# Altium PCB 通用工装板.PcbDoc (part 8 of 10)
Units mil, origin at the board's own origin, x right, y up, seen from the top; angles counter-clockwise.
Board outline 5905.51 x 3937.01 mil, 4 copper layers (L1, L2, L3, L4), stack 30.634 mil thick; 601 components, 576 nets, 2543 pads, 2986 vias.
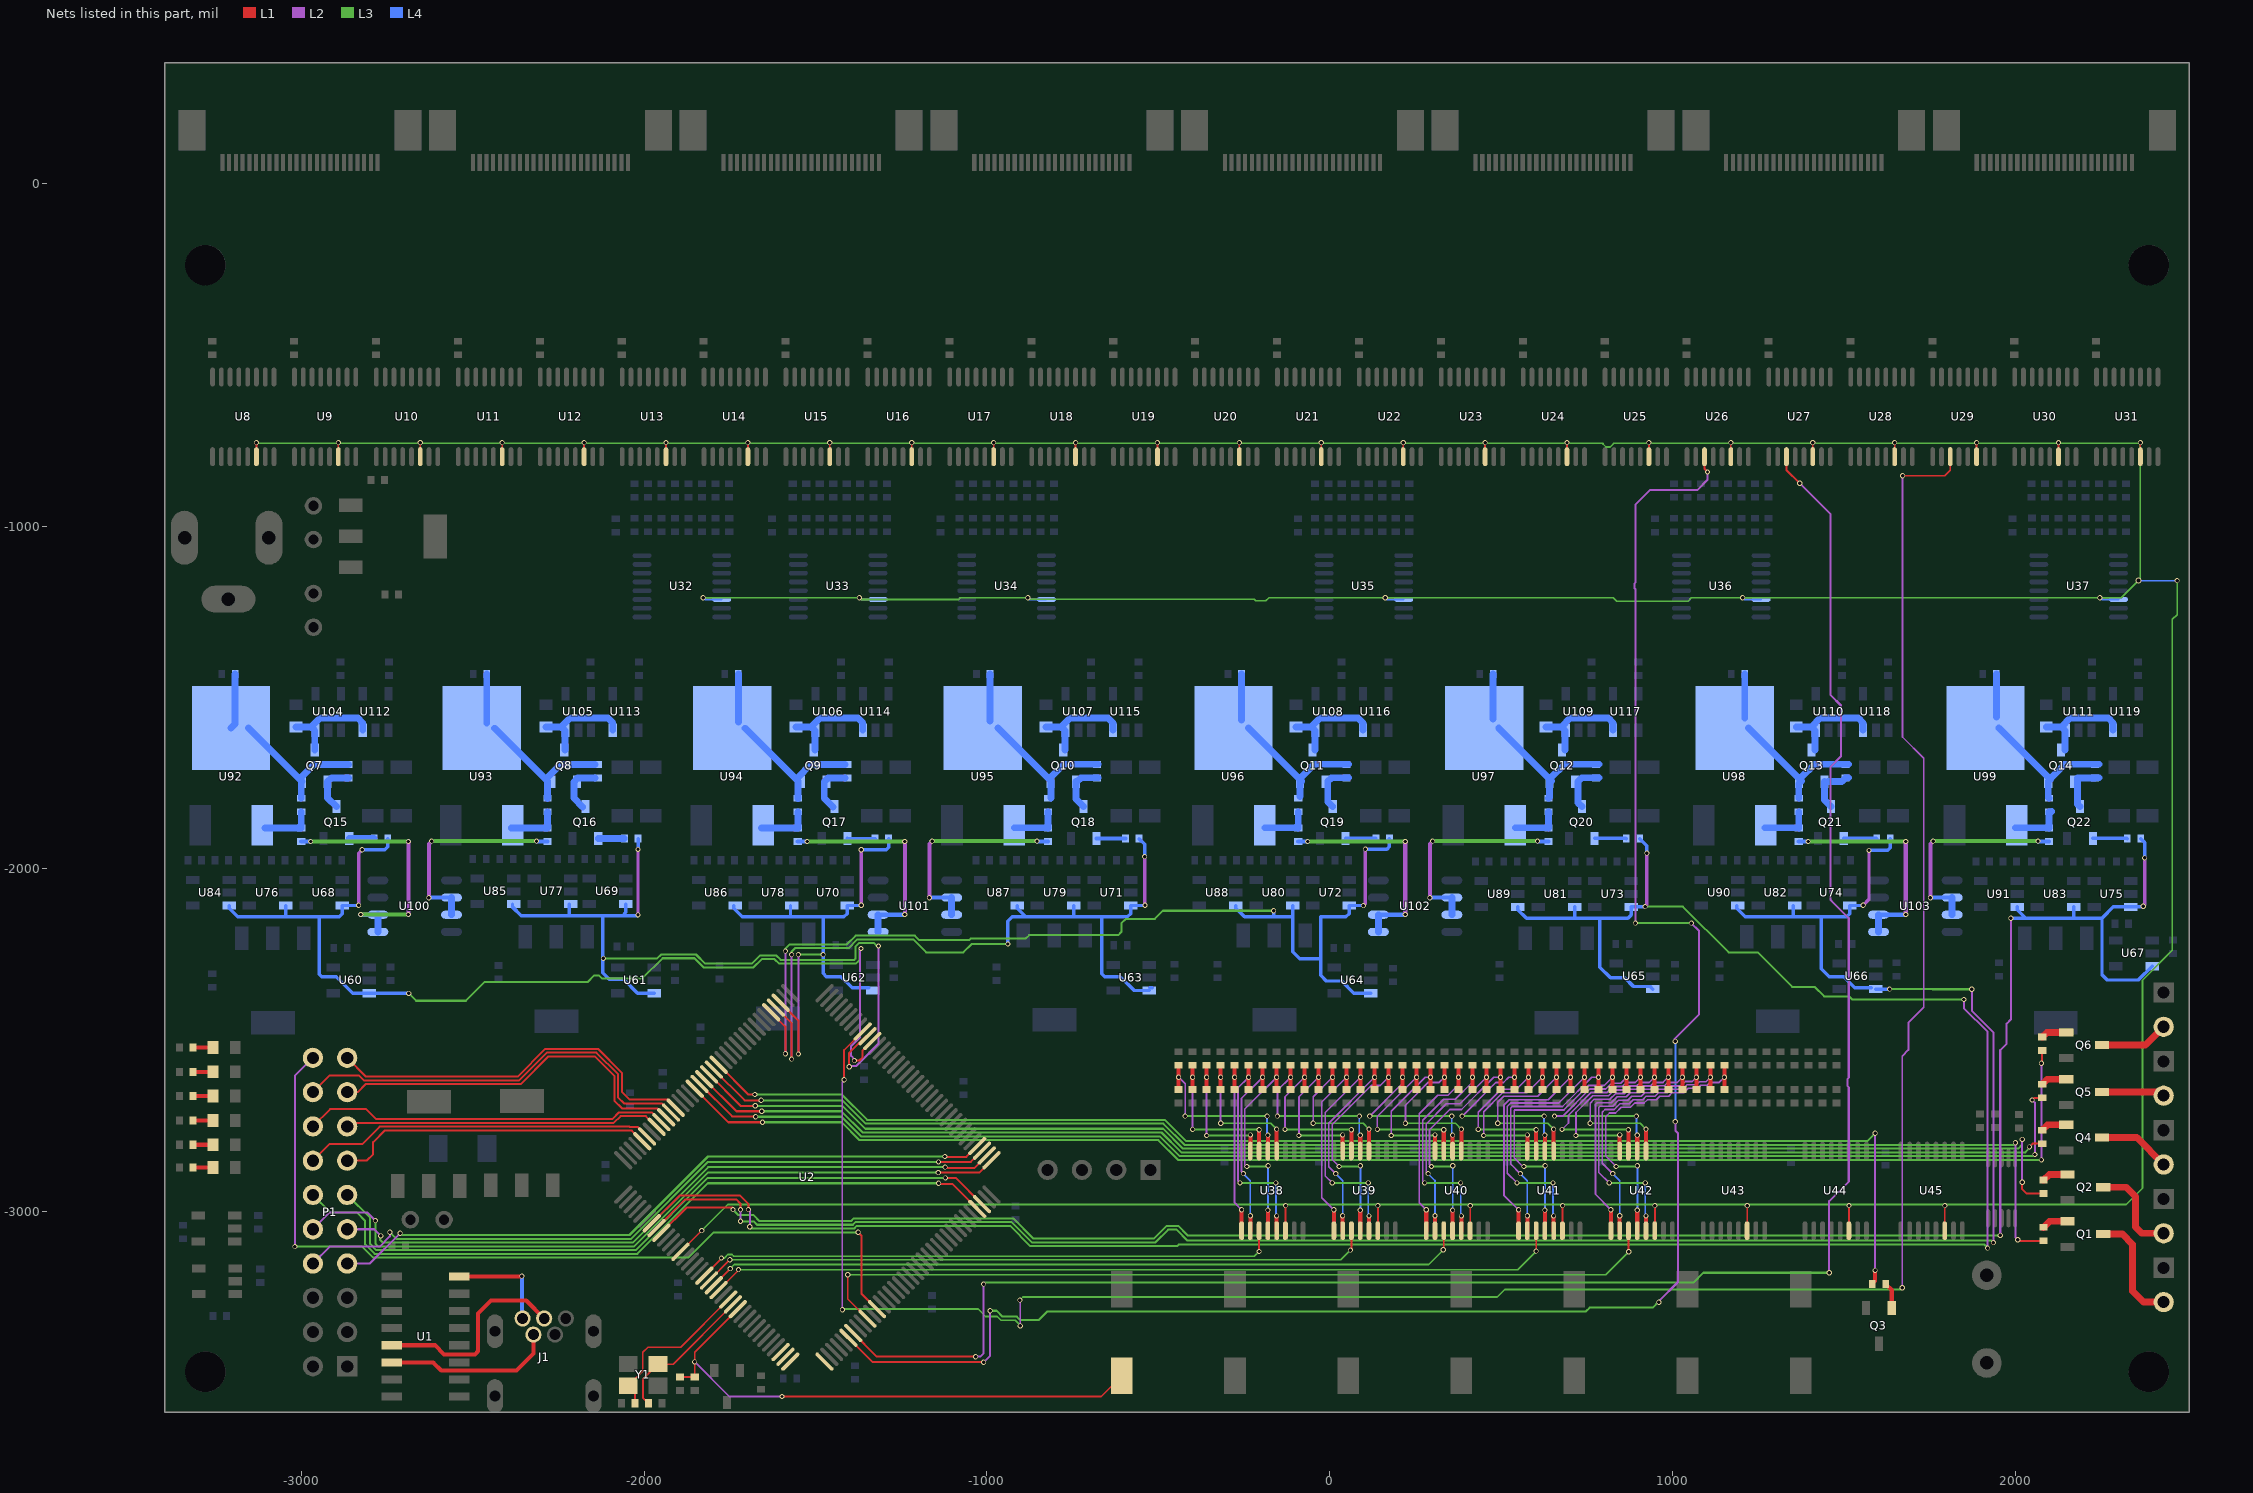
[diagram p10: the nets of this part, all layers, seen from the top]

## Via types
v1: diameter 15, hole 10, L1 to L4, tented both sides, 1853 vias
v2: diameter 18, hole 12, L1 to L4, tented both sides, 1133 vias

## Nets (pads, with @x,y where several pads share a name; then routed paths per layer and width w, separated by ;. In a path a pad name is that pad's centre, name@x,y a point inside that pad or via, vN(x,y) a via of type N, cw(c..) or ccw(c..) an arc to the next point about the centre after c; other vN are vias at no path point) (continued)
NetC105_2: C105.2 Q7.2 R210.2 R226.1 U92.4 | length 587.2
  L4 w20: U92.4@-3205.48,-1588.94 -3193.28,-1576.73 C105.2@-3193.28,-1431.46 ; U92.4@-3154.89,-1588.94 Q7.2@-3000.36,-1743.46 ; R210.2@-3000.36,-1793.66 Q7.2@-3000.36,-1743.46 ; Q7.2@-3000.36,-1732.36 -2963.24,-1695.24 R226.1@-2862.57,-1695.24 ; Q7.2@-2998.39,-1745.43 Q7.2@-3000.36,-1743.46
NetC107_2: C107.2 Q8.2 R211.2 R227.1 U93.4 | length 564.4
  L4 w20: U93.4@-2459.3,-1573.92 C107.2@-2459.3,-1431.46 ; U93.4@-2436.25,-1589.54 -2281.72,-1744.06 R211.2@-2281.72,-1794.26 ; Q8.2@-2281.72,-1732.96 -2244.6,-1695.83 R227.1@-2143.93,-1695.83
NetC109_2: C109.2 Q9.2 R212.2 R228.1 U94.4 | length 561.6
  L4 w20: U94.4@-1725.33,-1571.11 C109.2@-1725.33,-1431.46 ; U94.4@-1706.25,-1589.54 -1551.72,-1744.06 R212.2@-1551.72,-1794.26 ; Q9.2@-1551.72,-1732.96 -1514.6,-1695.83 R228.1@-1413.93,-1695.83
NetC111_2: C111.2 Q10.2 R213.2 R229.1 U95.4 | length 558.7
  L4 w20: U95.4@-991.36,-1568.3 C111.2@-991.36,-1431.46 ; U95.4@-968.25,-1588.54 -813.72,-1743.06 R213.2@-813.72,-1793.26 ; Q10.2@-813.72,-1731.96 -776.6,-1694.83 R229.1@-675.93,-1694.83
NetC113_2: C113.2 Q11.2 R214.2 R230.1 U96.4 | length 551.4
  L4 w20: U96.4@-257.39,-1565.48 C113.2@-257.39,-1431.46 ; U96.4@-237.25,-1588.54 -82.72,-1743.06 Q11.2@-82.72,-1745.43 ; R214.2@-87.26,-1788.73 Q11.2@-87.26,-1745.43 ; Q11.2@-82.72,-1731.96 -45.6,-1694.83 R230.1@55.07,-1694.83
NetC115_2: C115.2 Q12.2 R215.2 R231.1 U97.4 | length 561.7
  L4 w20: U97.4@476.58,-1562.67 C115.2@476.58,-1431.46 ; U97.4@492.75,-1588.54 647.28,-1743.06 Q12.2@640.53,-1749.81 ; R215.2@638,-1793.66 640.53,-1791.13 Q12.2@640.53,-1749.81 ; Q12.2@640.53,-1745.43 Q12.2@640.53,-1749.81 ; Q12.2@647.28,-1731.96 684.4,-1694.83 R231.1@785.07,-1694.83
NetC117_2: C117.2 Q13.2 R216.2 R232.1 U98.4 | length 554.1
  L4 w20: U98.4@1210.55,-1559.86 C117.2@1210.55,-1431.46 ; U98.4@1221.75,-1588.54 1376.28,-1743.06 1368.03,-1751.31 R216.2@1368.03,-1793.66 ; Q13.2@1376.28,-1731.96 1413.4,-1694.83 R232.1@1514.07,-1694.83
NetC119_2: C119.2 Q14.2 R217.2 R233.1 U99.4 | length 540.8
  L4 w20: U99.4@1944.52,-1557.05 C119.2@1944.52,-1431.46 ; U99.4@1951.75,-1588.54 Q14.2@2102.37,-1739.16 ; Q14.2@2096.09,-1745.43 2096.09,-1791.69 R217.2@2098.06,-1793.66 ; Q14.2@2106.28,-1731.96 2143.4,-1694.83 2244.07,-1694.83
NetJ1_1: J1.1 U1.16 | length 304.4
  L1 w12: U1.16@-2539.73,-3189.33 -2358.33,-3189.33 v1(-2357,-3188)
  L4 w12: J1.1@-2357,-3309.07 v1(-2357,-3188)
NetJ1_2: J1.2 U1.6 | length 498.3
  L1 w12: U1.6@-2736.58,-3439.47 -2615.53,-3439.47 -2592,-3463 -2373,-3463 -2323.2,-3413.2 J1.2@-2323.2,-3358.62
NetJ1_3: J1.3 U1.5 | length 607
  L1 w12: U1.5@-2736.58,-3389.44 -2610.56,-3389.44 -2584,-3416 -2494,-3416 -2485,-3407 -2485,-3297 -2447,-3259 -2344.08,-3259 J1.3@-2291.7,-3311.38
NetLED1_1: LED1.1 R10.1 | length 58.1
  L1 w12: R10.1@-3316.29,-2521.06 LED1.1@-3258.22,-2521.06
NetLED2_1: LED2.1 R11.1 | length 58.1
  L1 w12: R11.1@-3316.29,-2591.93 LED2.1@-3258.22,-2591.93
NetLED3_1: LED3.1 R12.1 | length 58.1
  L1 w12: R12.1@-3316.29,-2662.8 LED3.1@-3258.22,-2662.8
NetLED4_1: LED4.1 R13.1 | length 58.1
  L1 w12: R13.1@-3316.29,-2733.66 LED4.1@-3258.22,-2733.66
NetLED5_1: LED5.1 R14.1 | length 58.1
  L1 w12: R14.1@-3316.29,-2804.53 LED5.1@-3258.22,-2804.53
NetLED6_1: LED6.1 R15.1 | length 58.1
  L1 w12: R15.1@-3316.29,-2871.46 LED6.1@-3258.22,-2871.46
NetP2_2: P2.2 Q1.3 | length 338.6
  L1 w20: Q1.3@2256.53,-3065.32 2312.32,-3065.32 2342,-3095 2342,-3232 2373.74,-3263.74 P2.2@2432.71,-3263.74
NetP3_2: P3.2 Q2.3 | length 284
  L1 w20: Q2.3@2256.53,-2928.5 2323.5,-2928.5 2351,-2956 2351,-3045 2368.95,-3062.95 P3.2@2432.71,-3062.95
NetP4_2: P4.2 Q4.3 | length 212.6
  L1 w20: Q4.3@2252.59,-2783.82 2354.36,-2783.82 P4.2@2432.71,-2862.17
NetP5_2: P5.2 Q5.3 | length 169.7
  L1 w20: Q5.3@2252.59,-2650.95 P5.2@2422.28,-2650.95
NetP6_2: P6.2 Q6.3 | length 202.3
  L1 w20: Q6.3@2252.59,-2514.13 2379.17,-2514.13 P6.2@2432.71,-2460.59
NetQ1_1: Q1.1 R1.2 | length 77.2
  L1 w20: R1.2@2082.31,-3045.63 2100.03,-3027.91 Q1.1@2152.2,-3027.91
NetQ2_1: Q2.1 R2.2 | length 76.8
  L1 w20: R2.2@2082.31,-2907.83 2099.05,-2891.1 Q2.1@2152.2,-2891.1
NetQ3_1: Q3.1 R3.2 | length 77.2
  L1 w12: R3.2@1621.68,-3210.98 1639.4,-3228.7 Q3.1@1639.4,-3280.87
NetQ4_1: Q4.1 R4.2 | length 76.4
  L1 w20: R4.2@2078.38,-2762.17 2094.13,-2746.42 Q4.1@2148.26,-2746.42
NetQ5_1: Q5.1 R5.2 | length 76
  L1 w20: R5.2@2078.38,-2628.31 2093.14,-2613.54 Q5.1@2148.26,-2613.54
NetQ6_1: Q6.1 R6.2 | length 75.6
  L1 w20: R6.2@2078.38,-2490.51 2092.16,-2476.73 Q6.1@2148.26,-2476.73
NetQ7_1: Q7.1 Q15.3 R226.2 | length 148.9
  L4 w20: Q15.3@-2898,-1818.27 -2923.59,-1792.68 Q7.1@-2923.59,-1745.43 -2912.76,-1734.61 R226.2@-2862.57,-1734.61
NetQ7_3: Q7.3 R242.1 U104.3 U112.3 | length 303.9
  L4 w20: R242.1@-3016.11,-1585.98 -2971.98,-1585.98 ; Q7.3@-2960.99,-1652.91 -2960.99,-1596.81 -2971.82,-1585.98 -2971.98,-1585.98 ; U112.3@-2821.23,-1594.84 -2821.23,-1573.77 -2834.84,-1560.16 -2946.16,-1560.16 -2971.98,-1585.98
NetQ8_1: Q8.1 Q16.3 R227.2 | length 148.9
  L4 w20: Q16.3@-2179.36,-1818.87 -2204.95,-1793.28 -2204.95,-1746.03 -2194.13,-1735.2 R227.2@-2143.93,-1735.2
NetQ8_3: Q8.3 R243.1 U105.3 U113.3 | length 303.9
  L4 w20: R243.1@-2286.64,-1585.98 -2242.51,-1585.98 ; Q8.3@-2231.52,-1652.91 -2231.52,-1596.81 -2242.35,-1585.98 -2242.51,-1585.98 ; U113.3@-2091.76,-1594.84 -2091.76,-1573.77 -2105.37,-1560.16 -2216.69,-1560.16 -2242.51,-1585.98
NetQ9_1: Q9.1 Q17.3 R228.2 | length 148.9
  L4 w20: Q17.3@-1449.36,-1818.87 -1474.95,-1793.28 -1474.95,-1746.03 -1464.13,-1735.2 R228.2@-1413.93,-1735.2
NetQ9_3: Q9.3 R244.1 U106.3 U114.3 | length 303.9
  L4 w20: R244.1@-1557.17,-1585.98 -1513.04,-1585.98 ; Q9.3@-1502.05,-1652.91 -1502.05,-1596.81 -1512.88,-1585.98 -1513.04,-1585.98 ; U114.3@-1362.29,-1594.84 -1362.29,-1573.77 -1375.9,-1560.16 -1487.21,-1560.16 -1513.04,-1585.98
NetQ10_1: Q10.1 Q18.3 R229.2 | length 147.9
  L4 w20: Q10.1@-740.24,-1745.43 -740.24,-1796.05 Q18.3@-718.02,-1818.27 ; Q10.1@-736.95,-1745.43 -736.95,-1745.03 -726.13,-1734.2 R229.2@-675.93,-1734.2
NetQ10_3: Q10.3 R245.1 U107.3 U115.3 | length 303.9
  L4 w20: R245.1@-827.7,-1585.98 -783.57,-1585.98 ; Q10.3@-772.58,-1652.91 -772.58,-1596.81 -783.41,-1585.98 -783.57,-1585.98 ; U115.3@-632.81,-1594.84 -632.81,-1573.77 -646.43,-1560.16 -757.74,-1560.16 -783.57,-1585.98
NetQ11_1: Q11.1 Q19.3 R230.2 | length 144.8
  L4 w20: Q19.3@8.64,-1818.27 -5.95,-1803.68 -5.95,-1745.03 4.87,-1734.2 R230.2@55.07,-1734.2
NetQ11_3: Q11.3 R246.1 U108.3 U116.3 | length 303.9
  L4 w20: R246.1@-98.22,-1585.98 -54.1,-1585.98 ; Q11.3@-43.11,-1652.91 -43.11,-1596.81 -53.93,-1585.98 -54.1,-1585.98 ; U116.3@96.66,-1594.84 96.66,-1573.77 83.04,-1560.16 -28.27,-1560.16 -54.1,-1585.98
NetQ12_1: Q12.1 Q20.3 R231.2 | length 143.4
  L4 w20: Q20.3@735.3,-1818.27 724.05,-1807.02 724.05,-1745.03 734.87,-1734.2 R231.2@785.07,-1734.2
NetQ12_3: Q12.3 R247.1 U109.3 U117.3 | length 303.9
  L4 w20: R247.1@631.25,-1585.98 675.37,-1585.98 ; Q12.3@686.36,-1652.91 686.36,-1596.81 675.54,-1585.98 675.37,-1585.98 ; U117.3@826.13,-1594.84 826.13,-1573.77 812.51,-1560.16 701.2,-1560.16 675.37,-1585.98
NetQ13_1: Q13.1 Q21.3 R232.2 | length 146.4
  L4 w20: Q13.1@1443.11,-1745.43 1443.11,-1799.43 Q21.3@1461.95,-1818.27 ; Q13.1@1453.05,-1745.43 1453.05,-1745.03 1493.71,-1745.03 R232.2@1504.14,-1734.61 ; R232.2@1504.14,-1734.2 R232.2@1514.07,-1734.2
NetQ13_3: Q13.3 R248.1 U110.3 U118.3 | length 303.9
  L4 w20: R248.1@1360.72,-1585.98 1404.84,-1585.98 ; Q13.3@1415.84,-1652.91 1415.84,-1596.81 1405.01,-1585.98 1404.84,-1585.98 ; U118.3@1555.6,-1594.84 1555.6,-1573.77 1541.99,-1560.16 1430.67,-1560.16 1404.84,-1585.98
NetQ14_1: Q14.1 Q22.3 R233.2 | length 148.9
  L4 w20: Q22.3@2188.61,-1818.27 2181.72,-1811.38 2181.72,-1734.61 R233.2@2231.92,-1734.61 ; R233.2@2231.92,-1734.2 2244.07,-1734.2
NetQ14_3: Q14.3 R249.1 U111.3 U119.3 | length 303.9
  L4 w20: R249.1@2090.19,-1585.98 2134.31,-1585.98 ; 2145.31,-1652.91 2145.31,-1596.81 2134.48,-1585.98 2134.31,-1585.98 ; U119.3@2285.07,-1594.84 2285.07,-1573.77 2271.46,-1560.16 2160.14,-1560.16 2134.31,-1585.98
NetQ15_1: Q15.1 R234.1 | length 71.9
  L4 w20: Q15.1@-2860.6,-1910.79 R234.1@-2788.75,-1910.79
NetQ16_1: Q16.1 R235.1 | length 75.8
  L4 w20: Q16.1@-2133.94,-1910.79 R235.1@-2058.15,-1910.79
NetQ17_1: Q17.1 R236.1 | length 81.1
  L4 w10: Q17.1@-1407.28,-1910.79 -1406.3,-1911.77 R236.1@-1326.57,-1911.77
NetQ18_1: Q18.1 R237.1 | length 85.1
  L4 w12: Q18.1@-680.62,-1910.79 -679.64,-1911.77 R237.1@-595.98,-1911.77
NetQ19_1: Q19.1 R238.1 | length 89
  L4 w10: Q19.1@46.04,-1910.79 133.64,-1910.79 R238.1@134.62,-1911.77
NetQ20_1: Q20.1 R239.1 | length 92.9
  L4 w10: Q20.1@772.7,-1910.79 864.23,-1910.79 R239.1@865.22,-1911.77
NetQ21_1: Q21.1 R240.1 | length 96.9
  L4 w10: Q21.1@1499.36,-1910.79 1594.83,-1910.79 R240.1@1595.81,-1911.77
NetQ22_1: Q22.1 R241.1 | length 100.8
  L4 w10: Q22.1@2226.02,-1910.79 2325.42,-1910.79 R241.1@2326.41,-1911.77
NetR210_1: R210.1 R218.2 U92.1 | length 153.5
  L4 w20: U92.1@-3106.66,-1880.28 R218.2@-3000.36,-1880.28 R210.1@-3000.36,-1833.03
NetR211_1: R211.1 R219.2 U93.1 | length 153.5
  L4 w20: U93.1@-2388.02,-1880.87 -2281.72,-1880.87 R211.1@-2281.72,-1833.63
NetR212_1: R212.1 R220.2 U94.1 | length 153.5
  L4 w20: U94.1@-1658.02,-1880.87 -1551.72,-1880.87 R212.1@-1551.72,-1833.63
NetR213_1: R213.1 R221.2 U95.1 | length 145.2
  L4 w20: U95.1@-920.02,-1879.87 R221.2@-822.07,-1879.87 ; R221.2@-822.07,-1880.28 R221.2@-822.07,-1879.87 ; R213.1@-822.07,-1833.03 R221.2@-822.07,-1879.87
NetR214_1: R214.1 R222.2 U96.1 | length 144.2
  L4 w20: U96.1@-189.02,-1879.87 R222.2@-92.04,-1879.87 ; R222.2@-92.04,-1880.28 R222.2@-92.04,-1879.87 ; R214.1@-92.04,-1833.03 R222.2@-92.04,-1879.87
NetR215_1: R215.1 R223.2 U97.1 | length 144.3
  L4 w20: U97.1@540.98,-1879.87 R223.2@638,-1879.87 ; R223.2@638,-1880.28 R223.2@638,-1879.87 ; R215.1@638,-1833.03 R223.2@638,-1879.87
NetR216_1: R216.1 R224.2 U98.1 | length 145.3
  L4 w20: U98.1@1269.98,-1879.87 R224.2@1368.03,-1879.87 ; R224.2@1368.03,-1880.28 R224.2@1368.03,-1879.87 ; R216.1@1368.03,-1833.03 R224.2@1368.03,-1879.87
NetR217_1: R217.1 R225.2 U99.1 | length 145.7
  L4 w20: U99.1@1999.98,-1879.87 R225.2@2098.06,-1879.87 ; R225.2@2098.06,-1880.28 R225.2@2098.06,-1879.87 ; R217.1@2098.06,-1833.03 R225.2@2098.06,-1879.87 ; R217.1@2106.28,-1833.03 R217.1@2106.28,-1832.63
NetR218_1: R218.1 U100.1 U100.2 | length 764.8
  L2 w12: v1(-2688,-2133) v1(-2688,-1920)
  L3 w12: v1(-2973,-1920) v1(-2688,-1920) ; v1(-2827,-2133) v1(-2688,-2133)
  L4 w12: R218.1@-3000.36,-1919.65 -2973.35,-1919.65 v1(-2973,-1920) ; v1(-2827,-2133) -2826.38,-2133.62 U100.2@-2776.94,-2133.62
  L4 w20: U100.1@-2776.94,-2183.62 U100.2@-2776.94,-2133.62
NetR219_1: R219.1 U100.6 U100.7 | length 619.5
  L2 w12: v1(-2628.2,-2084) -2628.2,-1927 v1(-2620.2,-1919)
  L3 w12: v1(-2620.2,-1919) v1(-2314.2,-1919)
  L4 w12: v1(-2628.2,-2084) -2627.82,-2083.62 U100.6@-2564.62,-2083.62 ; v1@-2313.56,-1919.65 R219.1@-2282.14,-1919.65
  L4 w20: U100.7@-2562.37,-2133.62 U100.6@-2562.37,-2083.62
NetR220_1: R220.1 U101.1 U101.2 | length 655.1
  L2 w12: v1(-1239.74,-2133) v1(-1239.74,-1920)
  L3 w12: v1(-1524.74,-1920) v1(-1239.74,-1920) ; v1@-1240.74,-2134 v1(-1239.74,-2133)
  L4 w12: R220.1@-1552.11,-1919.65 -1525.1,-1919.65 v1(-1524.74,-1920) ; U101.2@-1317.62,-2133.62 -1240.37,-2133.62 v1(-1239.74,-2133)
  L4 w20: U101.1@-1317.62,-2183.62 U101.2@-1317.62,-2133.62
NetR221_1: R221.1 U101.6 U101.7 | length 669.5
  L2 w12: v1(-1168.13,-2084) -1168.13,-1927 v1(-1160.13,-1919)
  L3 w12: v1(-1160.13,-1919) v1(-854.13,-1919)
  L4 w12: v1(-1168.13,-2084) -1167.76,-2083.62 U101.6@-1104.55,-2083.62 ; v1@-853.49,-1919.65 R221.1@-822.07,-1919.65
  L4 w20: U101.7@-1103.05,-2133.62 U101.6@-1103.05,-2083.62 U101.7@-1103.05,-2133.62
NetR222_1: R222.1 U102.1 U102.2 | length 654.4
  L2 w12: v1(220.32,-2133) v1(220.32,-1920)
  L3 w12: v1(-64.68,-1920) v1(220.32,-1920)
  L4 w12: R222.1@-92.04,-1919.65 -65.03,-1919.65 v1(-64.68,-1920) ; U102.2@141.7,-2133.62 219.7,-2133.62 v1(220.32,-2133)
  L4 w20: U102.1@141.7,-2183.62 U102.2@141.7,-2133.62
NetR223_1: R223.1 U102.6 U102.7 | length 669.5
  L2 w12: v1(291.93,-2084) 291.93,-1927 v1(299.93,-1919)
  L3 w12: v1(299.93,-1919) v1(605.93,-1919)
  L4 w12: v1(291.93,-2084) 292.31,-2083.62 U102.6@355.51,-2083.62 ; v1@606.58,-1919.65 R223.1@638,-1919.65
  L4 w20: U102.7@356.26,-2133.62 U102.6@356.26,-2083.62 U102.7@356.26,-2133.62
NetR224_1: R224.1 U103.1 U103.2 | length 655.1
  L2 w12: v1(1680.39,-2133) v1(1680.39,-1920)
  L3 w12: v1(1395.39,-1920) v1(1680.39,-1920)
  L4 w12: R224.1@1368.03,-1919.65 1395.04,-1919.65 v1(1395.39,-1920) ; U103.2@1601.02,-2133.62 1679.77,-2133.62 v1(1680.39,-2133)
  L4 w20: U103.1@1601.02,-2183.62 U103.2@1601.02,-2133.62
NetR225_1: R225.1 U103.6 U103.7 | length 670.4
  L2 w12: v1(1752,-2084) 1752,-1927 v1(1760,-1919)
  L3 w12: v1(1760,-1919) v1(2066,-1919)
  L4 w12: v1(1752,-2084) 1752.38,-2083.62 U103.6@1815.58,-2083.62 ; v1(2066,-1919) 2066.65,-1919.65 R225.1@2098.06,-1919.65
  L4 w20: U103.7@1815.58,-2133.62 U103.6@1815.58,-2083.62 U103.7@1815.58,-2133.62
NRST: C8.2 K7.2 R8.1 U2.25 | length 1606.7
  L1 w5: C8.2@-1895.98,-3482.39 R8.1@-1852.68,-3482.39 -1852.68,-3409.61 U2.25@-1727.21,-3284.14 ; v1(-1598,-3539) -666.96,-3539 K7.2@-606.66,-3478.7
  L2 w5: v1(-1853,-3438) -1752,-3539 v1(-1598,-3539)
OSC_IN: C9.2 U2.23 Y1.1 | length 487.2
  L1 w5: C9.2@-2026.91,-3558.82 -2026.91,-3527.32 Y1.1@-2046.59,-3507.64 -2004,-3465.05 -2004,-3410 -1989,-3395 -1893.75,-3395 U2.23@-1755.05,-3256.3
OSC_OUT: C21.2 U2.24 Y1.3 | length 430.3
  L1 w5: Y1.3@-1959.98,-3444.65 -1915.56,-3444.65 U2.24@-1741.13,-3270.22
  L1 w6: C21.2@-1987.54,-3558.82 -2004,-3542.35 -2004,-3488.67 Y1.3@-1959.98,-3444.65
OUT1: R3.1 U2.124 | length 3923.8
  L1 w6: U2.124@-1782.89,-2571.46 -1696.35,-2658 v1(-1677,-2658)
  L1 w12: R3.1@1582.31,-3206.31 R3.1@1582.31,-3210.98 1591,-3202.3 v1(1591,-3171)
  L2 w6: v1(1591,-3171) v1(1591,-2771)
  L3 w6: v1(-1677,-2658) -1423.89,-2658 -1349.67,-2732.22 -481,-2732.22 -419.22,-2794 1568,-2794 v1(1591,-2771)
OUT2: R1.1 U2.125 | length 4250.9
  L1 w6: U2.125@-1796.81,-2585.38 -1707.19,-2675 v1(-1659,-2675) ; v1@2010,-3085 R1.1@2082.31,-3085
  L2 w6: v1(2000,-2799) 2000,-3075 v1(2007,-3082)
  L3 w6: v1(-1659,-2675) -1422.44,-2675 -1354.22,-2743.22 -485.55,-2743.22 -423.77,-2805 1994,-2805 v1(2000,-2799)
  L4 w6: v1(2000,-2799) 2000,-2798 v1@2001,-2797
OUT3: R2.1 U2.126 | length 4153.2
  L1 w6: U2.126@-1810.72,-2599.3 -1719.03,-2691 v1(-1676,-2691) ; v1(2020,-2914) 2020,-2934 2033.2,-2947.2 R2.1@2082.31,-2947.2
  L2 w6: v1(2020,-2914) v1(2020,-2789)
  L3 w6: v1(-1676,-2691) -1422,-2691 -1355,-2758 -486.33,-2758 -428.33,-2816 2008,-2816 2020,-2804 v1(2020,-2789)
OUT4: R4.1 U2.127 | length 4004.5
  L1 w6: U2.127@-1824.64,-2613.22 -1730.86,-2707 v1(-1657,-2707) ; v1(2041,-2811) 2050.46,-2801.54 R4.1@2078.38,-2801.54
  L3 w6: v1(-1657,-2707) -1424.89,-2707 -1362.89,-2769 -490.89,-2769 -432.89,-2827 2029,-2827 2041,-2815 v1(2041,-2811)
OUT5: R5.1 U2.128 | length 4183.9
  L1 w6: U2.128@-1838.56,-2627.14 -1743.7,-2722 -1676,-2722 v1(-1675,-2723) ; v1(2049,-2674) 2055.32,-2667.68 R5.1@2078.38,-2667.68
  L2 w6: v1(2049,-2674) 2057,-2682 v1(2057,-2833)
  L3 w6: v1(-1675,-2723) -1424.44,-2723 -1367.44,-2780 -495.44,-2780 -437.44,-2838 2053,-2838 2057,-2834 v1(2057,-2833)
  L4 w6: v1(2057,-2833) v1@2061,-2833
OUT6: R6.1 U2.129 | length 4331.4
  L1 w6: U2.129@-1852.48,-2641.06 -1754.54,-2739 v1(-1655,-2739) ; v1@2078.38,-2564.62 R6.1@2078.38,-2529.88
  L2 w6: v1(2076,-2849) v1(2076,-2567)
  L3 w6: v1(-1655,-2739) -1424,-2739 -1372,-2791 -500,-2791 -442,-2849 v1(2076,-2849)
PA0: U2.34
PA1: U2.35
PA2: U2.36
PA3: U2.37
PB2: P1.20 U2.48 | length 2508.5
  L1 w6: v1@-1376,-3058 v1(-1376,-3060) -1365.95,-3070.05 -1365.95,-3238.95 U2.48@-1320.76,-3284.14
  L2 w6: v1(-3019,-3102) -3019,-2603.64 P1.20@-2966.5,-2551.14
  L3 w6: v1(-3019,-3102) -2823,-3102 -2791,-3134 -1871.56,-3134 -1797.56,-3060 v1(-1376,-3060)
PB3: P1.19 U2.133 | length 1118.1
  L1 w6: P1.19@-2866.5,-2551.14 -2811.65,-2606 -2369.34,-2606 -2288.34,-2525 -2134.77,-2525 -2065,-2594.77 -2065,-2650 -2042,-2673 -1931.9,-2673 U2.133@-1908.16,-2696.74
PB4: P1.18 U2.134 | length 1216.5
  L1 w6: P1.18@-2966.5,-2651.14 -2917.36,-2602 -2833,-2602 -2818,-2617 -2364.78,-2617 -2283.78,-2536 -2139.33,-2536 -2076,-2599.33 -2076,-2667 -2059,-2684 -1948.74,-2684 U2.134@-1922.08,-2710.66
PB5: P1.17 U2.135 | length 1089.4
  L1 w6: P1.17@-2866.5,-2651.14 -2836.14,-2651.14 -2813,-2628 -2360.23,-2628 -2279.23,-2547 -2143.89,-2547 -2087,-2603.89 -2087,-2675.99 -2063.99,-2699 -1961.58,-2699 U2.135@-1936,-2724.58
PB6: P1.16 U2.136 | length 1069.5
  L1 w6: P1.16@-2966.5,-2751.14 -2916.36,-2701 -2811,-2701 -2782,-2730 -2093.56,-2730 -2073.56,-2710 -1978.41,-2710 U2.136@-1949.92,-2738.5
PB7: P1.15 U2.137 | length 928.2
  L1 w6: P1.15@-2866.5,-2751.14 -2856.36,-2741 -2089,-2741 -2069,-2721 -1995.25,-2721 U2.137@-1963.84,-2752.41
PB8: P1.14 U2.139 | length 1027.6
  L1 w6: P1.14@-2966.5,-2851.14 -2918.36,-2803 -2823,-2803 -2772,-2752 -2042.92,-2752 -2042.42,-2752.5 -2031.71,-2752.5 -2031.21,-2753 -2018.93,-2753 U2.139@-1991.68,-2780.25
PB9: P1.13 U2.140 | length 930.8
  L1 w6: P1.13@-2866.5,-2851.14 -2810.14,-2851.14 -2791,-2832 -2791,-2797 -2757,-2763 -2047.48,-2763 -2046.98,-2763.5 -2036.27,-2763.5 U2.140@-2005.6,-2794.17
PB10: P1.12 U2.69 | length 2165.4
  L1 w6: v1(-1141,-2917) -1139,-2919 -1101.28,-2919 U2.69@-1028.45,-2991.83
  L3 w6: P1.12@-2966.5,-2951.14 -2915.65,-3002 -2839,-3002 -2814,-3027 -2814,-3095 -2786,-3123 -2020.06,-3123 -1814.06,-2917 v1(-1141,-2917)
PB11: P1.11 U2.70 | length 2081.8
  L1 w6: v1(-1121.5,-2901.5) -1090.94,-2901.5 U2.70@-1014.53,-2977.91
  L3 w6: P1.11@-2866.5,-2951.14 -2799.72,-3017.92 -2799.72,-3093.72 -2781.44,-3112 -2024.62,-3112 -1814.12,-2901.5 v1(-1121.5,-2901.5)
PB12: P1.10 U2.73 | length 2185
  L1 w6: v1(-1142,-2886) -1022.84,-2886 U2.73@-986.69,-2849.85
  L2 w6: P1.10@-2966.5,-3051.14 -2917.36,-3002 -2808,-3002 v1(-2784,-3026)
  L3 w6: v1(-2784,-3026) -2784,-3093.89 -2776.89,-3101 -2029.18,-3101 -1814.18,-2886 v1(-1142,-2886)
PB13: P1.9 U2.74 | length 1999.3
  L1 w6: v1(-1122,-2870) -1119,-2873 -1037.68,-2873 U2.74@-1000.61,-2835.93
  L2 w6: P1.9@-2866.5,-3051.14 -2787.94,-3051.14 v1(-2768.5,-3070.58)
  L3 w6: v1(-2768.5,-3070.58) -2771,-3073.08 -2771,-3081 -2762,-3090 -2033.73,-3090 -1813.73,-2870 v1(-1122,-2870)
PB14: P1.8 U2.75 | length 2111.1
  L1 w6: v1(-1141.5,-2854.5) -1047.02,-2854.5 U2.75@-1014.53,-2822.01
  L2 w6: P1.8@-2966.5,-3151.14 -2917.36,-3102 -2772,-3102 -2742,-3072 v1(-2742,-3060)
  L3 w6: v1(-2742,-3060) -2723,-3079 -2038.29,-3079 -1813.79,-2854.5 v1(-1141.5,-2854.5)
PB15: P1.7 U2.76 | length 1986.5
  L1 w6: v1(-1123,-2839) -1122,-2840 -1060.36,-2840 U2.76@-1028.45,-2808.09
  L2 w6: P1.7@-2866.5,-3151.14 -2800.14,-3151.14 v1(-2712,-3063) ; v1@-1124,-2840 v1(-1123,-2839)
  L3 w6: v1(-2712,-3063) -2707,-3068 -2042.84,-3068 -1813.84,-2839 v1(-1123,-2839)
POWER_EN0: R234.2 U2.98 U60.3 U68.3 U76.3 U84.3 | length 3056.9
  L1 w6: v1(-1387,-2559) -1372,-2559 -1363.71,-2550.71 -1363.71,-2530.9 U2.98@-1334.68,-2501.87
  L2 w6: v1(-1387,-2559) -1387,-2554.92 -1396.5,-2545.42 -1396.5,-2516.5 -1370.5,-2490.5 -1370.5,-2235.22 v1(-1367.5,-2232.22)
  L2 w10: v1(-2833,-2106) -2833,-1954 v1(-2823,-1944)
  L3 w6: v1(-2687,-2363) -2665.5,-2384.5 -2520.53,-2384.5 -2466.53,-2330.5 -2165.42,-2330.5 -2145.42,-2310.5 -2132.58,-2310.5 -2123.58,-2319.5 -2005.22,-2319.5 -1946.22,-2260.5 -1853.39,-2260.5 -1826.39,-2287.5 -1681.5,-2287.5 -1657,-2263 -1620,-2263 -1606.5,-2276.5 -1382.5,-2276.5 -1372,-2266 -1372,-2236.72 v1(-1367.5,-2232.22)